# Altium PCB Controller_4Layers.PcbDoc (part 2 of 2)
Units mil, origin at the board's own origin, x right, y up, seen from the top; angles counter-clockwise.
Board outline 5080 x 5195 mil, 4 copper layers (Top Layer, Int1 (GND), Int2 (PWR), Bottom Layer), stack 53.912 mil thick; 184 components, 145 nets, 690 pads, 232 vias.
Unrouted connection lines stored in the file: 2.
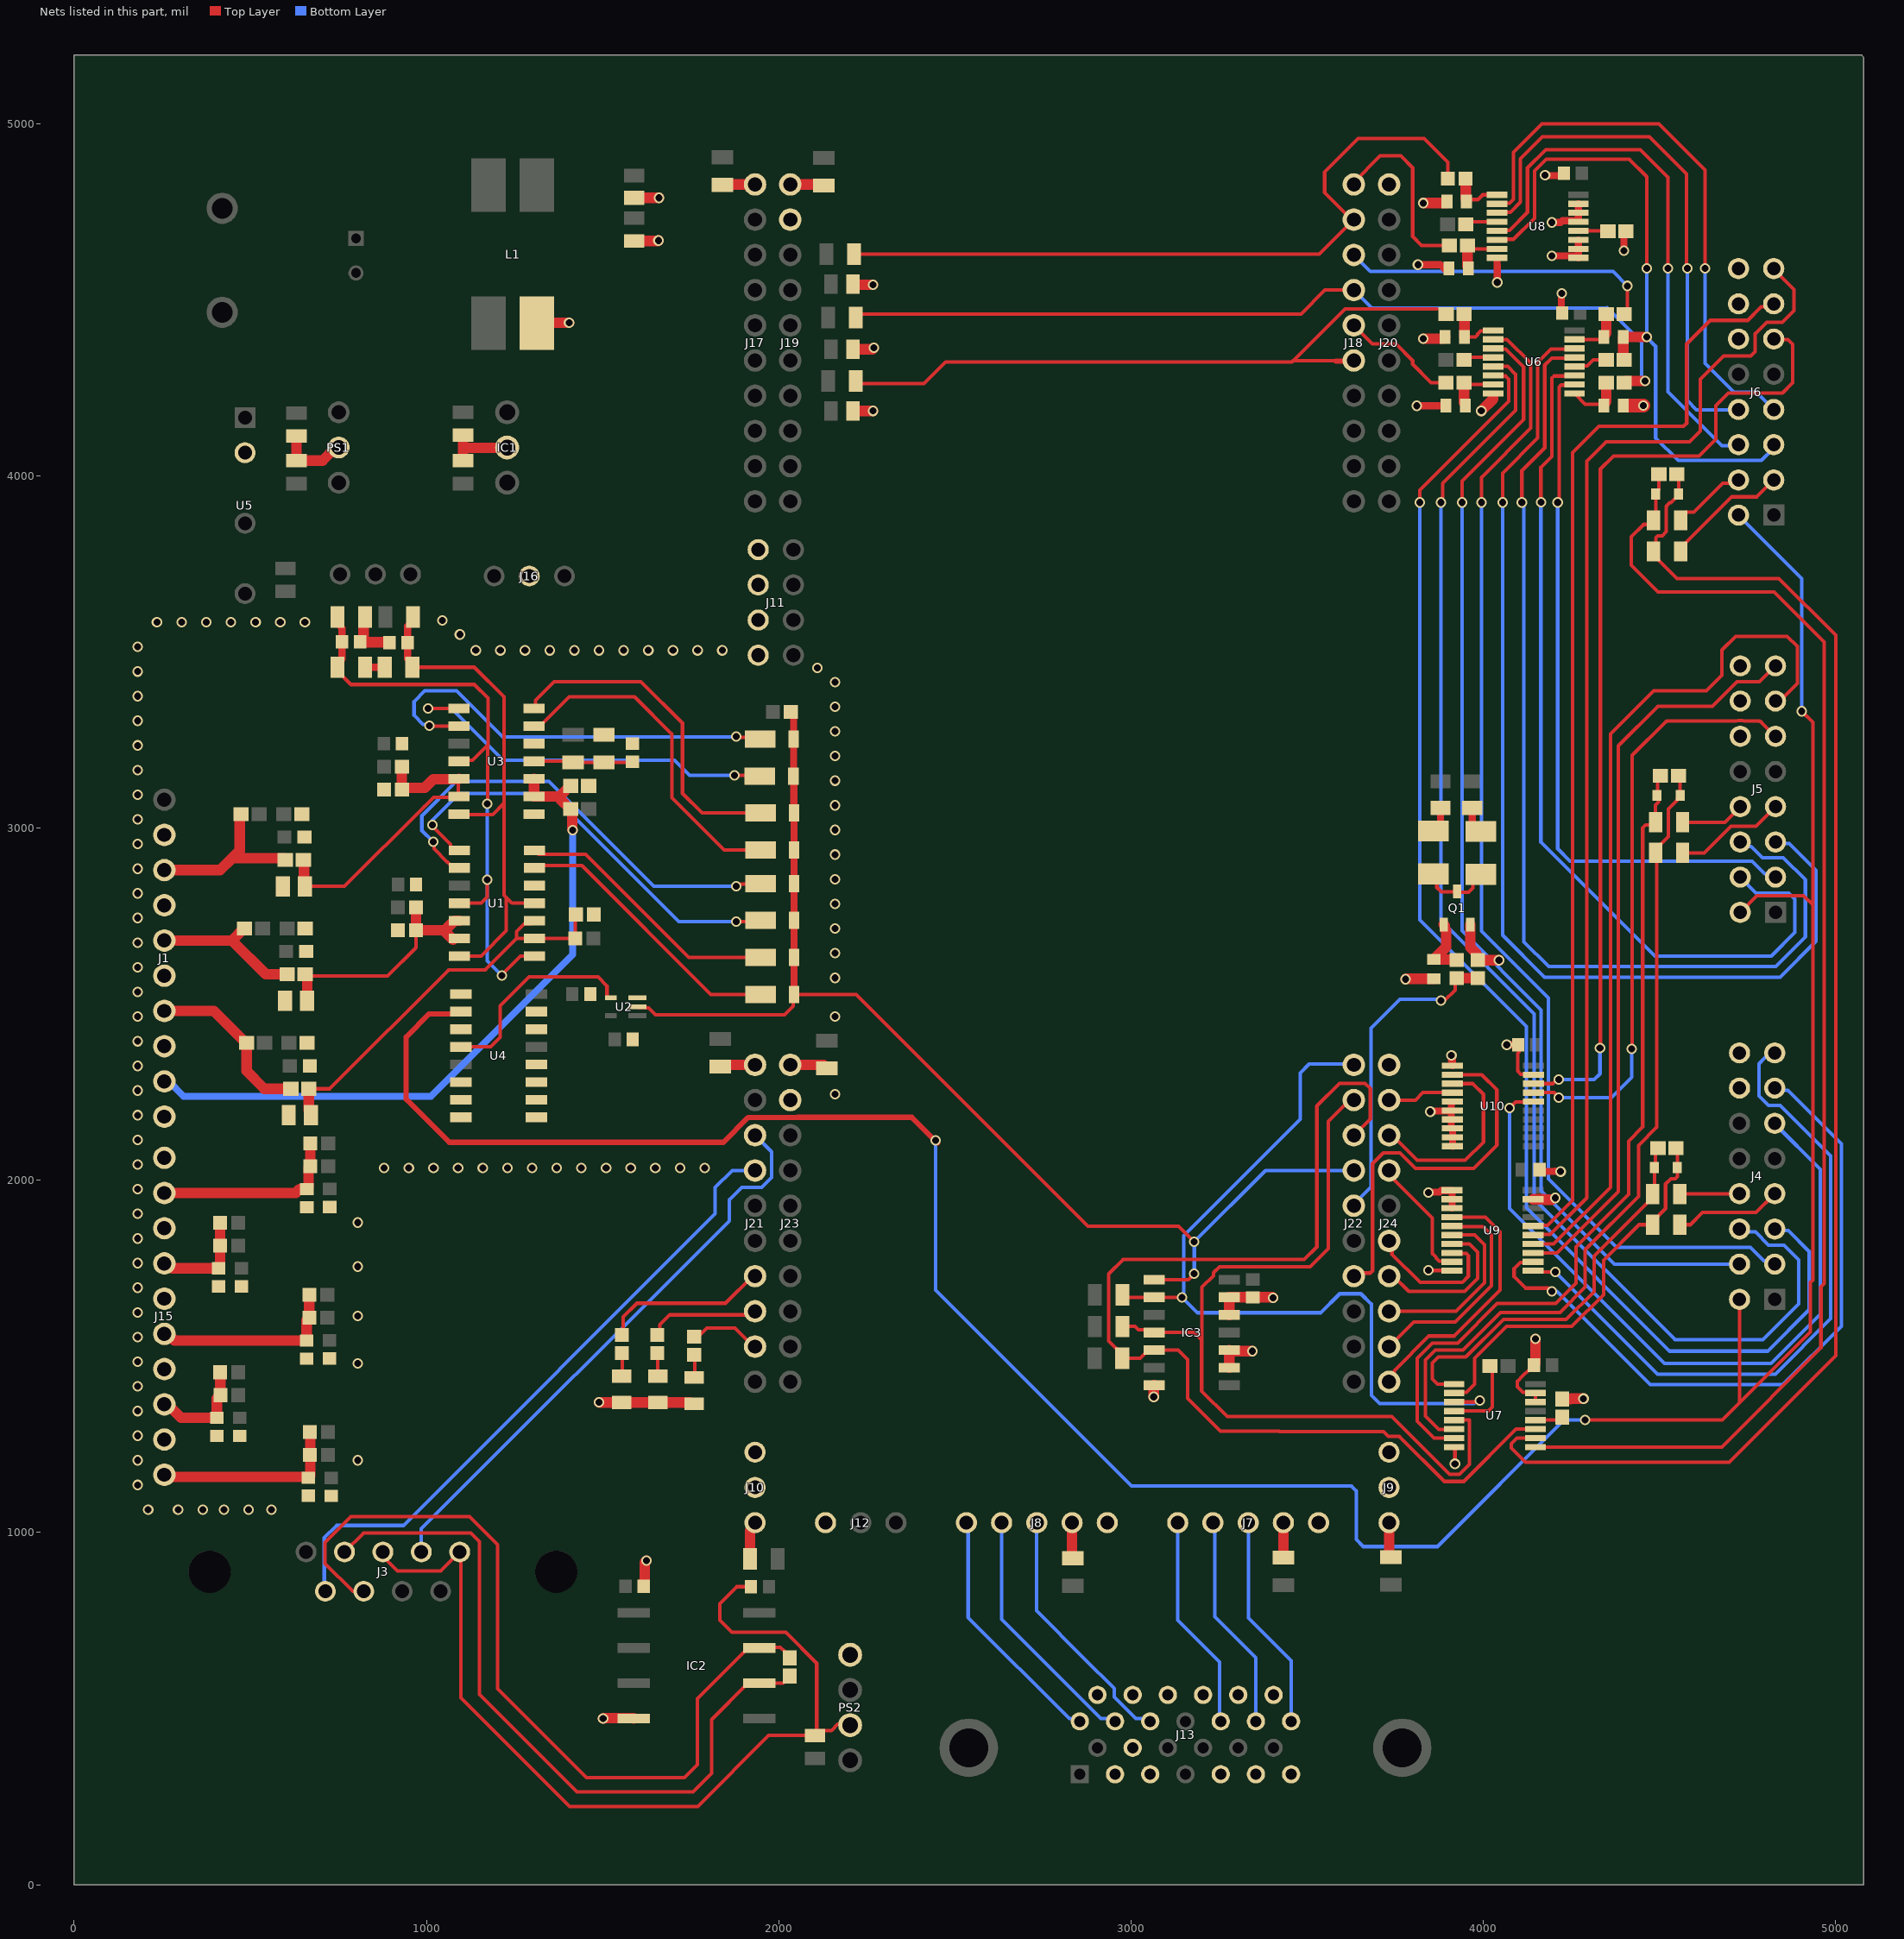
[diagram p4: the nets of this part, all layers, seen from the top]

## Via types
v1: diameter 30, hole 20, Top Layer to Int1 (GND), 133 vias
v2: diameter 29.53, hole 19.68, Top Layer to Bottom Layer, 54 vias
v3: diameter 30/30 (per signal layer), hole 20, Top Layer to Int2 (PWR), 40 vias
v4: diameter 125.98, hole 125.98, Top Layer to Bottom Layer, 4 vias
v5: diameter 50/50 (per signal layer), hole 28, Top Layer to Int2 (PWR), 1 vias

## Nets (pads, with @x,y where several pads share a name; then routed paths per layer and width w, separated by ;. In a path a pad name is that pad's centre, name@x,y a point inside that pad or via, vN(x,y) a via of type N, cw(c..) or ccw(c..) an arc to the next point about the centre after c; other vN are vias at no path point) (continued)
GND: C1.1 C2.1 C3.1 C4.1 C5.1 C6.1 C7.2 C8.1 C9.2 C10.1 C11.1 C12.1 C13.1 C16.1 C17.1 C18.1 C19.1 C20.1 C21.1 C23.1 C25.1 C26.1 C27.1 C28.1 C29.1 C31.1 C32.1 C33.1 C34.1 C35.1 C38.1 C39.1 C40.1 C41.1 C42.1 C43.1 C44.1 C45.1 C46.1 C47.1 C48.1 C49.1 C50.1 C51.1 C52.1 C53.1 DS1.1 DS2.1 DS3.1 IC1.2 IC2.4 IC3.7 IC3.9 IC3.10 IC3.12 IC3.13 J1.2 J1.4 J1.6 J1.8 J1.10 J4.14 J4.16 J5.12 J5.14 J5.16 J6.12 J6.14 J6.16 J7.5 J8.5 J9.1 J9.2 J10.1 J10.2 J11.1 J11.2 J11.3 J11.4 J12.3 J13.3 J13.4 J13.5 J13.9 J13.11 J13.13 J13.15 J13.17 J13.19 J13.21 J13.23 J13.25 J15.1 J15.3 J15.5 J15.7 J15.9 J16.2 J19.2 J20.1 J23.2 J24.1 L1.4 PS1.2 PS2.1 Q1.2 R7.1 R8.1 R9.1 R13.2 R14.2 R16.2 R19.2 R22.2 R32.2 R35.2 R39.2 R51.1 R63.1 U1.12 U2.3 U3.8 U3.12 U4.1 U4.3 U4.6 U4.7 U4.8 U4.9 U4.10 U4.11 U4.12 U4.14 U4.15 U5.2 U6.8 U7.8 U7.14 U7.15 U8.8 U8.9 U8.10 U8.11 U8.13 U8.14 U8.15 U9.1 U9.2 U9.3 U9.10 U9.19 U10.1 U10.5 U10.6 U10.7 U10.8 U10.9 U10.10 U10.19 | length 4071.2
  Top Layer w10: v1(3845,1745) 3845.88,1744.12 3911.12,1744.12 U9.10@3912,1743.24 ; U7.8@3917.33,1242.43 3915,1240.1 3920,1235.1 v1(3920,1195) ; 4102.41,2365 4098,2360.59 4098,2310.29 4106.79,2301.5 4141.46,2301.5 U10.19@4143,2299.97 ; C33.1@4144.41,1475 4144.41,1473.23 4131.89,1460.71 4128.71,1460.71 4113.42,1445.42 4097.21,1429.21 4097.21,1413.92 4113.42,1397.71 4146.94,1397.71 U7.15@4148.67,1395.98 U7.14@4148.67,1370.39
  Top Layer w20: v1(3811.91,4199.5) 3886.91,4199.5 3887.41,4200 C35.1@3894.88,4200 ; v1(3815,4600) 3878.44,4600 3895.44,4583 C39.1@3902.44,4590 ; v1(3845,1965) 3846.91,1966.91 3876.91,1966.91 3880.64,1970.64 3910.86,1970.64 U9.1@3912,1971.79 U9.2@3912,1946.39 U9.3@3912,1921 ; v1(3850,2195) 3852.71,2195 3854.96,2197.25 U10.6@3910,2197.25 ; v1(3910,2355) 3910,2340 3913,2343 U10.1@3913,2325.36 ; U10.10@3913,2096.82 U10.9@3913,2122.21 U10.8@3913,2147.61 3912.39,2147.61 3910,2150 U10.6@3910,2197.25 ; U10.6@3913,2198.39 3911.86,2197.25 U10.6@3910,2197.25 ; U10.5@3913,2220.32 3910,2217.32 U10.6@3910,2197.25 ; 4039.33,4600.67 U8.8@4039.33,4619.43 ; v1(4040,4550) 4040,4600 ; v1(4067,2385) C40.1@4099.41,2385 ; C41.1@4160.59,2030 4165.59,2025 v1(4220,2025) 4205.59,2025 4204.5,2026.09 ; v1(4175.9,4854.1) 4176.8,4853.2 4222.61,4853.2 C29.1@4229.41,4860 ; v1(4195,4625) 4265.1,4625 U8.9@4270.67,4619.43 U8.10@4270.67,4645.02 U8.11@4270.67,4670.61 ; v1(4195,4720) 4220,4720 4225.06,4725.06 4270.67,4725.06 U8.14@4270.67,4747.39 U8.15@4270.67,4772.98 ; v1(4223.46,4518.46) 4221.91,4516.91 4221.91,4465.5 C28.1@4224.41,4463 ; v1(4400,4640) 4400,4689.41 R39.2@4405.59,4695
  Top Layer w30: C19.1@631,4113.32 C19.1@633.32,4113.32 ; C19.1@635,4115 C19.1@633.32,4113.32 ; PS1.2@751,4081 742.34,4081 705.02,4043.68 C21.1@631,4043.68 631,4111 C19.1@633.32,4113.32 ; R22.2@826.25,3600 821.5,3595.25 821.5,3540.68 811.59,3530.77 C13.1@811.59,3529 812.59,3528 894.41,3528 C12.1@895.41,3527 ; C20.1@1104,4043.68 1104,4079.84 ; C18.1@1104,4116 1104,4079.84 ; IC1.2@1229,4081 1227.84,4079.84 1104,4079.84 ; L1.4@1313.9,4434.13 1314.13,4434.13 1320,4440 1325,4435 v1(1405,4435) ; v1(1490,1370) 1490.99,1369.01 DS2.1@1554,1369.01 DS1.1@1657,1369.01 1747.16,1369.01 1750.16,1366.01 DS3.1@1760,1366.01 ; v1(1501.61,471.61) 1503.22,473.22 1587.63,473.22 IC2.4@1588.85,472 ; C16.1@1590,4667.32 1657.32,4667.32 v1(1658.66,4668.66) ; C17.1@1590,4790 v1(1660,4790) ; C23.1@1616.59,847 1619.11,849.52 1619.11,865.12 1620,866.01 1620,915 v1(1625,920) ; C27.1@2211.1,4185 v1(2268.15,4185) ; C26.1@2211.1,4360 2266.35,4360 v1(2270.35,4364) ; C25.1@2211.1,4545 2213.1,4543 v1(2268.15,4543) ; v1(3065,1385) 3065,1417 IC3.7@3066,1418 ; IC3.9@3279.54,1468 IC3.10@3279.54,1518 3282.54,1515 v1(3345,1515) ; IC3.12@3279.54,1618 IC3.13@3279.54,1668 3402,1668 v1(3403.5,1666.5) ; v1(3780,2571) 3781.44,2572.44 C42.1@3860,2572.44 ; v1(3830,4390) 3887.44,4390 C34.1@3892.44,4395 ; v1(3830,4775) 3892.44,4775 3892.95,4775.51 3897.09,4775.51 3897.44,4775.87 C38.1@3897.44,4780 ; Q1.2@3963.6,2726.51 3963.6,2661.83 3980.31,2645.11 3980.31,2630.28 R51.1@3985,2625.59 3985.59,2625 v1(4045,2625) ; v1(3995,4185) 4028.33,4218.33 U6.8@4028.33,4226.17 ; U9.19@4142,1946.39 4173.61,1946.39 4175,1945 v1@4195,1945 ; C33.1@4144.41,1475 4143.41,1476 4148.41,1481 v1(4148.41,1550) ; R35.2@4225,1379 4249,1379 4250,1380 v1(4285,1380) ; R32.2@4400.59,4330 4397.91,4332.68 4397.91,4394.65 C31.1@4397.56,4395 v1(4465,4395)
  Top Layer w40: 4417.56,4200 v1(4455,4200)
  other v1: 210,1065 295,1065 365,1065 425,1065 495,1065 560,1065 180,1135 180,1205 805,1205 180,1275 180,1345 180,1415 805,1480 180,1485 180,1555 805,1615 180,1625 180,1695 805,1755 180,1765 180,1835 805,1880 180,1905 4205,1950 180,1975 880,2035 950,2035 1020,2035 1090,2035 1160,2035 1230,2035 1300,2035 1370,2035 1440,2035 1510,2035 1580,2035 1650,2035 1720,2035 1790,2035 180,2045 180,2115 180,2185 2160,2244.5 180,2255 180,2325 180,2395 180,2465 2160,2465 180,2535 2160,2575 180,2605 2160,2645 180,2675 2160,2715 180,2745 2160,2785 180,2815 2160,2855 180,2885 2160,2925 180,2955 2160,2995 180,3025 2160,3065 180,3095 2160,3135 180,3165 2160,3205 180,3235 2160,3275 180,3305 2160,3345 180,3375 2160,3415 180,3445 2110,3455 1140,3505 1210,3505 1280,3505 1350,3505 1420,3505 1490,3505 1560,3505 1630,3505 1700,3505 1770,3505 1840,3505 180,3515 1095,3550 235,3585 305,3585 375,3585 445,3585 515,3585 585,3585 655,3585 1045,3590
GND-ISO: C22.1 C24.2 J3.3 J3.5 PS2.3 | length 2697.5
  Top Layer w10: J3.3@876.53,944.81 876.53,934.26 890,920.78 890,919 918,891 1040.83,891 J3.5@1094.64,944.81 1098,941.45 1098,531 1407,222 1770,222 1971.68,423.68 C22.1@2103,423.68 C22.1@2108,428.68 ; C24.2@1921.41,846 1881,846 1833,798 1833,751 1867,717 2020.14,717 2108,629.14 C22.1@2108,428.68 ; PS2.3@2203,453 2200,456 2168,456 2149.77,437.77 2117.09,437.77 C22.1@2108,428.68
GPIO0/PWMOUT1A: J18.1 R40.1 | length 527.9
  Top Layer w10: J18.1@3633,4828 3633,4834 3708,4909 3766,4909 3800,4875 3800,4680 3825,4655 R40.1@3904.41,4655
GPIO1/PWMOUT1B: J18.2 R24.1 R38.1 | length 2094.5
  Top Layer w10: R24.1@2214.25,4630 3535,4630 J18.2@3633,4728 3627,4728 3550,4805 3550,4863 3645,4958 3832,4958 3899.41,4890.59 R38.1@3899.41,4845
GPIO2/PWMOUT2A: J18.3 R27.2 | length 916.5
  Top Layer w10: R27.2@4390.59,4445 4410,4464.41 v2(4410,4540)
  Bottom Layer w10: J18.3@3633,4628 3679.89,4581.11 4368.89,4581.11 v2(4410,4540)
GPIO3/PWMOUT2B: J18.4 R25.1 R29.2 | length 2480.2
  Top Layer w10: R25.1@2219.25,4460 3483,4460 3551,4528 J18.4@3633,4528
  Top Layer w30: R29.2@4400.59,4265 4405.28,4269.69 4459.69,4269.69 v2(4460,4270)
  Bottom Layer w10: J18.4@3633,4528 3683.76,4477.24 4351.24,4477.24 4352,4478 4450,4380 4450,4282.08
GPIO4/PWMOUT3A: J18.5 R33.1 | length 334.6
  Top Layer w10: J18.5@3633,4428 3686,4375 3752.31,4375 3800,4327.31 3800,4317.57 3852.57,4265 R33.1@3894.41,4265
GPIO5/PWMOUT3B: J18.6 R26.1 R31.1 | length 1950.9
  Top Layer w10: R26.1@2219.25,4270 2226.39,4262.86 2412.86,4262.86 2474.29,4324.29 3457.58,4324.29 3608.17,4474.89 3868.73,4474.89 ; 3460.28,4327 3580.86,4327 ; 3580.86,4324.29 3615.28,4324.29 3618.98,4328 3580.86,4328 ; J18.6@3622.69,4328 J18.6@3633,4328 ; R31.1@3893.03,4460 R31.1@3895,4460
GPIO6/PWMOUT4A: IC3.2 J22.1 R49.2 U7.3 | length 2354.4
  Top Layer w10: R49.2@2976.25,1675 2983.25,1668 IC3.2@3066,1668 v2(3145,1668) ; U7.3@3917.33,1370.39 3985.39,1370.39 v2(3990,1375)
  Bottom Layer w10: v2(3145,1668) 3150,1663 3189,1624 3539,1624 3593,1678 3653,1678 3682,1649 3683,1649 3683,1640.21 ; v2@3150,1668 3150,1843 3481,2174 3481,2305 3506,2330 3631,2330 J22.1@3633,2328 ; 3683,1640.17 3683,1389 3706,1366 3974,1366 3983,1375 v2(3990,1375)
GPIO7/PWMOUT4B: IC3.4 J22.2 R48.2 U7.5 | length 2588.3
  Top Layer w10: R48.2@2976.25,1585 3011.88,1585 3020.98,1575.9 3058.1,1575.9 IC3.4@3066,1568 3179,1568 3200,1547 3200,1402.86 3202,1400.86 ; J22.2@3633,2228 3621,2228 3560,2167 3560,1806 3509,1755 3251.53,1755 3234.52,1737.99 3234.52,1729.1 3202,1696.57 3202,1547 3202,1400.86 ; U7.5@3917.33,1319.2 3961.37,1319.2 3961.37,1193.94 3932.43,1165 3905,1165 3741,1329 3273.86,1329 3202,1400.86
GPIO8/PWMOUT5A: IC3.5 J22.3 R47.2 U7.11 | length 3076.9
  Top Layer w10: J22.3@3633,2128 3680,2175 3680,2260 3665,2275 3592,2275 3528,2211 3528,1811 3492,1775 2978,1775 2937.36,1734.36 2937.36,1543.89 2975.5,1505.75 R47.2@2975.5,1495 3026.76,1495 3049.76,1518 IC3.5@3066,1518 3134,1518 3161,1491 3161,1381 3254,1288 3421,1288 3422,1287 3717,1287 3731,1273 3762,1273 3890,1145 3945,1145 4093.61,1293.61 U7.11@4148.67,1293.61
GPIO9/PWMOUT5B: D1.2 D2.2 D3.2 D4.2 D5.2 D6.2 D7.2 D8.2 IC3.1 J22.4 R10.2 U2.2 | length 3486.1
  Top Layer w10: U2.2@1599,2493 1601,2491 1623.77,2491 1625.36,2489.41 1630.71,2489.41 1650.12,2470 2017.13,2470 2041.49,2494.36 2041.49,2525.49 D1.2@2044,2528 2220,2528 2878,1870 3135.76,1870 v2(3180,1825.76) ; R10.2@2034.59,3330 2034.59,3327.59 2034,3327 R10.2@2042.5,3318.5 ; D8.2@2042.25,3252.75 D8.2@2042.5,3253 ; IC3.1@3066,1718 3163,1718 v2(3180,1735) ; J22.4@3628,2023 J22.4@3633,2028
  Top Layer w20: D8.2@2042.25,3252.75 2042.25,3148.25 D7.2@2042,3148 2043,3147 2043,3044 D6.2@2044,3043 D5.2@2044,2938 D4.2@2044,2843 D3.2@2044,2738 D2.2@2044,2633 D1.2@2044,2528 ; D8.2@2042.5,3253 R10.2@2042.5,3318.5
  Bottom Layer w10: v2(3180,1735) v2(3180,1825.76) 3382.24,2028 J22.4@3633,2028
GPIO10/PWMOUT6A: J22.5 R50.1 R51.2 | length 907.2
  Top Layer w10: v2(3880,2510) 3890,2510 3920.31,2540.31 3920.31,2569.72 R50.1@3925,2574.41
  Top Layer w30: R50.1@3925,2574.41 R51.2@3985,2574.41
  Bottom Layer w10: J22.5@3633,1928 3633,1932 3682,1981 3682,2432 3764,2514 v2@3882,2514
GPIO14/OPXBAR3: J22.7 U10.2 | length 1075.7
  Top Layer w10: J22.7@3633,1728 3641.78,1736.78 3679.89,1736.78 3686.11,1743 3686.11,2047.42 3716.69,2078 3764,2078 3808,2034 3973,2034 4039,2100 4039,2257 3996.03,2299.97 U10.2@3913,2299.97
GPIO25/OPXBAR2: J24.10 U9.4 | length 751.9
  Top Layer w10: J24.10@3733,1428 3733,1442.55 3747.66,1457.21 3747.66,1459.66 3846,1558 3918,1558 4048,1688 4048,1854 4006.39,1895.61 U9.4@3912,1895.61
GPIO26/SD2D2: J24.8 U9.6 | length 515.9
  Top Layer w10: J24.8@3733,1628 3922.72,1628 4004,1709.28 4004,1817 3976.18,1844.82 U9.6@3912,1844.82
GPIO27/SD2CLK2: J24.9 U9.5 | length 629.1
  Top Layer w10: J24.9@3733,1528 3803,1598 3921,1598 4024,1701 4024,1845 4000,1869 3913.21,1869 U9.5@3912,1870.21
GPIO41/I2CSCLB/J5: J21.9 R44.2 | length 207.2
  Top Layer w10: R44.2@1762,1546.59 1796.41,1581 1876,1581 1929,1528 J21.9@1933,1528
GPIO52/J5: J21.8 R42.2 | length 321.8
  Top Layer w10: R42.2@1659,1555.59 1663,1559.59 1663,1590 1691,1618 1923,1618 J21.8@1933,1628
GPIO63/SPIBMOSI: J24.6 U9.8 | length 407.2
  Top Layer w10: J24.6@3733,1828 3741.16,1819.84 3741.16,1789.84 3821,1710 3941,1710 3958,1727 3958,1786.64 3952.14,1792.49 3913.54,1792.49 U9.8@3912,1794.03
GPIO64/SPIBMISO: J24.7 U9.7 | length 440.4
  Top Layer w10: J24.7@3733,1728 3746,1728 3789,1685 3948,1685 3984,1721 3984,1796 3960.58,1819.42 U9.7@3912,1819.42
GPIO65/SPIBCLK: J21.7 R43.2 | length 486.7
  Top Layer w10: R43.2@1556,1548.59 1559,1551.59 1559,1612 1598,1651 1849,1651 1926,1728 J21.7@1933,1728
GPIO66/SPIBCS: J24.2 U10.4 | length 188.8
  Top Layer w10: J24.2@3733,2228 3807.95,2228 3829.13,2249.18 U10.4@3913,2249.18
GPIO130/SD2D1: J24.4 U9.9 | length 353.8
  Top Layer w10: J24.4@3733,2028 3733,2015.69 3856,1892.69 3856,1792 3867,1781 3867,1778.96 3875.79,1770.17 3910.46,1770.17 U9.9@3912,1768.64
GPIO131/SD2CLK1: J24.3 U10.3 | length 554.6
  Top Layer w10: J24.3@3733,2128 3742.28,2128 3813.28,2057 3949,2057 4001,2109 4001,2244 3970.43,2274.57 U10.3@3913,2274.57
HighLimit: C12.2 R17.2 R20.1 U1.7 U1.11 U3.7 | length 1508.2
  Top Layer w10: R20.1@960,3457 1136,3457 1220,3373 1220,3071 ; U3.7@1092.23,3040 1093.23,3039 1188,3039 1220,3071 ; U1.7@1093.23,2637 1155,2637 1227,2709 1227,2803 ; U1.11@1306.77,2787 1243,2787 1227,2803 ; 1220,3071 1220,2810 1227,2803
  Top Layer w20: R20.1@960,3457 960,3467.75 946.59,3481.16 C12.2@946.59,3527 946.59,3573.59 962.25,3589.25 R17.2@962.25,3600
LowLimit: C13.2 R21.2 R22.1 U1.4 U1.8 U3.4 | length 1782.1
  Top Layer w10: R21.2@747.75,3457 747.75,3446.25 786,3408 1136,3408 1175,3369 1175,3237 1174,3236 ; U3.4@1092.23,3190 1095.62,3193.39 1131.39,3193.39 1174,3236 ; U1.4@1093.23,2787 1155,2787 1173,2805 v2(1173,2854) ; v2(1173,3069) 1174,3070 1174,3236 ; v2(1214,2582) 1214,2584 1267,2637 U1.8@1306.77,2637
  Top Layer w20: R21.2@747.75,3457 747.75,3467.75 760.41,3480.41 C13.2@760.41,3529 760.41,3567.78 757.5,3570.69 757.5,3590.25 R22.1@747.75,3600
  Bottom Layer w10: v2(1173,3069) v2(1173,2854) 1173,2623 v2(1214,2582)
NetC30_1: C30.1 L3.1 R28.1 U7.1 | length 1137.9
  Top Layer w10: U7.1@3917.33,1421.57 3870.43,1421.57 3856,1436 3856,1481 3873,1498 3950.72,1498 4057.72,1605 4236,1605 4315,1684 4315,1785.27 4467.19,1937.46 4481,1951.27 L3.1@4481,1961 4486.41,1966.41 C30.1@4486.41,2036 4486.41,2039.41 4487,2040 4487.57,2040 4489.39,2041.83 4489.39,2083.98 R28.1@4496.41,2091
NetC30_2: C30.2 L2.1 R28.2 U7.2 | length 1108
  Top Layer w10: U7.2@3917.33,1395.98 3919.06,1397.71 3952.58,1397.71 3976,1421.13 3976,1495 4066,1585 4251.58,1585 4342,1675.42 4342,1773 4443,1874 L2.1@4481.5,1874 ; L2.1@4481.5,1883.73 4518,1920.23 4518,1989.58 4532.97,2004.54 4545.73,2004.54 4551.59,2010.4 C30.2@4551.59,2036 4551.59,2087 R28.2@4547.59,2091
NetC31_2: C31.2 R27.1 U6.15 | length 153.6
  Top Layer w10: U6.15@4259.67,4387.98 4335.42,4387.98 C31.2@4342.44,4395
  Top Layer w30: C31.2@4342.44,4395 4342.44,4399.13 4349.41,4406.1 R27.1@4349.41,4460
NetC32_2: C32.2 R29.1 U6.9 | length 163.2
  Top Layer w10: U6.9@4259.67,4234.43 4289.97,4204.13 4342.44,4204.13 C32.2@4342.44,4200
  Top Layer w30: C32.2@4342.44,4204.13 4349.41,4211.1 R29.1@4349.41,4265
NetC34_2: C34.2 R31.2 U6.1 | length 155
  Top Layer w10: C34.2@3947.56,4395 3977.91,4395 3984.29,4401.38 3984.29,4403.05 3993.08,4411.83 4026.6,4411.83 U6.1@4028.33,4413.57
  Top Layer w30: R31.2@3946.18,4460 3947.2,4458.98 3947.2,4395.35 C34.2@3947.56,4395
NetC35_2: C35.2 R33.2 U6.7 | length 151.6
  Top Layer w10: R33.2@3945.59,4265 3950.57,4260.02 U6.7@4028.33,4260.02
  Top Layer w30: R33.2@3945.59,4265 3945.59,4208.54 3950,4204.13 C35.2@3950,4200
NetC36_1: C36.1 L5.1 R36.1 U7.7 | length 2397.4
  Top Layer w10: U7.7@3917.33,1268.02 3860.98,1268.02 3813,1316 3813,1495 3856,1538 3928,1538 4040,1650 4206,1650 4264,1708 4264,1811 4413,1960 4413,2111.28 4453,2151.28 4453,3000.14 4461.55,3008.69 4481.2,3008.69 L5.1@4489.5,3017 4489.5,3065.5 4498,3074 4498,3089 C36.1@4494,3093 4495,3094 4495,3140.59 R36.1@4503.41,3149
NetC36_2: C36.2 L4.1 R36.2 U7.6 | length 2372.7
  Top Layer w10: U7.6@3917.33,1293.61 3916.24,1292.52 3874.48,1292.52 3836,1331 3836,1489.72 3864.28,1518 3942.43,1518 4049.43,1625 4218.18,1625 4290,1696.82 4290,1803 4441,1954 4441,2099 4493,2151 4493,2926.5 L4.1@4489.5,2930 ; L4.1@4477,2927.23 4526,2976.23 4526,3054.49 4551.27,3079.76 4551.27,3085.09 C36.2@4559.18,3093 4559.18,3144.41 R36.2@4554.59,3149
NetC37_1: C37.1 L7.1 R41.1 U7.9 | length 3873.4
  Top Layer w10: U7.9@4148.67,1242.43 4677.43,1242.43 4959,1524 4959,1697.54 4968.5,1707.04 4968.5,3528.5 4826,3671 4497,3671 4421,3747 4421,3828 4455.55,3862.55 4472.05,3862.55 L7.1@4483.5,3874 4490,3880.5 C37.1@4490,3949 4490,3951.84 4499,3960.84 R41.1@4499,4005
NetC37_2: C37.2 L6.1 R41.2 U7.10 | length 4077.5
  Top Layer w10: U7.10@4148.67,1268.02 4096.31,1268.02 4080,1251.72 4080,1240 4120,1200 4699,1200 5001,1502 5001,3548 4840,3709 4550.77,3709 4483.5,3776.27 L6.1@4483.5,3786 4490,3792.5 4490,3824.6 4495.86,3830.46 4508.53,3830.46 4520,3841.93 4520,3914 4530.11,3924.11 4533.13,3924.11 4555.18,3946.16 C37.2@4555.18,3949 4555.18,4000 R41.2@4550.18,4005
NetC38_2: C38.2 R38.2 U8.1 | length 160.3
  Top Layer w10: C38.2@3952.56,4780 3957.56,4785 3985,4785 3998.57,4798.57 U8.1@4039.33,4798.57
  Top Layer w30: R38.2@3950.59,4845 3950.59,4786.1 3952.56,4784.13 C38.2@3952.56,4780
NetC39_2: C39.2 R40.2 U8.7 | length 153.7
  Top Layer w10: R40.2@3955.59,4655 3965.57,4645.02 U8.7@4039.33,4645.02
  Top Layer w30: R40.2@3955.59,4655 3955.59,4596.1 3957.56,4594.13 C39.2@3957.56,4590
NetC42_2: C42.2 Q1.1 R50.2 | length 184.4
  Top Layer w30: Q1.1@3888.4,2726.51 3891.59,2723.32 3891.59,2713.04 3895,2709.63 3895,2662.56 3864.49,2632.05 3864.49,2627.91 3864.13,2627.56 C42.2@3860,2627.56 3860.35,2627.21 3923.38,2627.21 R50.2@3925,2625.59
NetC43_2: C43.2 J15.10 R52.1 R54.1 | length 545.2
  Top Layer w30: J15.10@256,1164 261.89,1158.11 662.48,1158.11 C43.2@665,1155.59 666.77,1155.59 669.29,1158.11 669.29,1159.88 670,1160.59 670,1284.41 R52.1@669.41,1285
NetC44_2: C44.2 J15.4 R53.1 R55.1 | length 292.7
  Top Layer w30: J15.4@256,1764 265.14,1764 279.14,1750 C44.2@410,1750 411.77,1750 414.41,1752.64 R55.1@414.41,1815 R53.1@414.41,1880
NetC47_2: C47.2 J15.8 R56.1 R58.1 | length 298.7
  Top Layer w30: J15.8@256,1364 265.14,1364 303.55,1325.59 C47.2@405,1325.59 405,1380 R58.1@415,1390 414.7,1390.3 414.7,1454.7 R56.1@414.41,1455
NetC48_2: C48.2 J15.2 R57.1 R59.1 | length 543
  Top Layer w30: J15.2@256,1964 629,1964 640,1975 C48.2@660.59,1975 660.59,1975.59 665.31,1980.31 665.31,2035.31 R59.1@670,2040 R57.1@670,2105
NetC51_2: C51.2 J15.6 R60.1 R61.1 | length 544.9
  Top Layer w30: J15.6@256,1564 265.14,1564 284.14,1545 C51.2@660,1545 660,1602.59 R61.1@667.41,1610 R60.1@667.41,1675
NetD1_1: D1.1 U1.13 | length 796.2
  Top Layer w10: U1.13@1306.77,2887 1313.77,2894 1441.54,2894 1807.54,2528 D1.1@1948.5,2528
NetD2_1: D2.1 U1.14 | length 767.6
  Top Layer w10: U1.14@1306.77,2937 1317.77,2926 1451.96,2926 1744.96,2633 D2.1@1948.5,2633
NetD3_1: D3.1 U1.1 | length 1242.1
  Top Layer w10: v2(1017,3009) 1017,3005.09 1068.21,2953.88 1068.21,2945.78 1076.99,2937 U1.1@1093.23,2937 ; v2(1880,2735) 1945.5,2735 D3.1@1948.5,2738
  Bottom Layer w10: v2(1017,3009) 1017,3023 1093,3099 1353.09,3099 1717.09,2735 v2(1880,2735)
NetD4_1: D4.1 U1.2 | length 1332.1
  Top Layer w10: v2(1019,2961) 1021.55,2958.45 1021.55,2941.45 1059,2904 1059.99,2904 1076.99,2887 U1.2@1093.23,2887 ; v2(1880,2835) 1886,2841 1948,2841 1948.5,2841.5 D4.1@1948.5,2843
  Bottom Layer w10: v2(1019,2961) 987,2993 987,3035.43 1084.57,3133 1347.38,3133 1645.38,2835 v2(1880,2835)
NetD5_1: D5.1 U3.13 | length 963
  Top Layer w10: U3.13@1305.77,3290 1322.01,3290 1330.79,3298.78 1405,3373 1591,3373 1697,3267 1697,3086.57 1845.57,2938 D5.1@1948.5,2938
NetD6_1: D6.1 U3.14 | length 956.3
  Top Layer w10: U3.14@1305.77,3340 1309.92,3344.15 1309.92,3362.92 1363,3416 1609,3416 1727,3298 1727,3099 1783,3043 D6.1@1948.5,3043
NetD7_1: D7.1 U3.1 | length 1113.8
  Top Layer w10: v2(1005,3340) U3.1@1092.23,3340 ; v2(1875,3150) 1934,3150 1941,3143 D7.1@1946.5,3148.5 ; D7.1@1946.5,3148 D7.1@1946.5,3148.5 ; D7.1@1947,3149 D7.1@1946.5,3148.5
  Bottom Layer w10: v2(1005,3340) 1071,3340 1218,3193 1704.14,3193 1747.14,3150 v2(1875,3150)
NetD8_1: D8.1 U3.2 | length 1232
  Top Layer w10: v2(1008.75,3291.25) 1010,3290 U3.2@1092.23,3290 ; v2(1880,3260) 1882,3258 1942,3258 D8.1@1947,3253
  Bottom Layer w10: v2(1008.75,3291.25) 1005.2,3294.8 990.2,3294.8 965,3320 965,3360 995.36,3390.36 1085.64,3390.36 1217,3259 1879,3259 v2(1880,3260)
NetD9_1: D9.1 D10.1 Q1.3 | length 206.8
  Top Layer w10: D9.1@3859,2870 3868.67,2860.33 3868.67,2831.33 3881,2819 Q1.3@3928,2819 ; Q1.3@3926,2821 Q1.3@3928,2819 ; D10.1@3994,2868.98 3971,2845.98 3971,2830 3959,2818 3929,2818 Q1.3@3928,2819
NetD9_2: D9.2 R45.1 | length 75.1
  Top Layer w20: D9.2@3854,2996.02 3859.47,2996.02 3879,3015.55 R45.1@3879,3057.6
NetD10_2: D10.2 R46.1 | length 80.1
  Top Layer w20: R46.1@3969,3057.6 3969,3014.53 3988.53,2995 3994,2995 D10.2@3994,2991.02
NetDS1_2: DS1.2 R42.1 | length 61.4
  Top Layer w10: DS1.2@1657,1443.81 1657,1502.41 R42.1@1659,1504.41
NetDS2_2: DS2.2 R43.1 | length 54.4
  Top Layer w10: DS2.2@1554,1443.81 1556,1445.81 R43.1@1556,1497.41
NetDS3_2: DS3.2 R44.1 | length 59.5
  Top Layer w10: DS3.2@1750.16,1440.81 1762,1452.65 R44.1@1762,1495.41
NetIC2_6: IC2.6 J3.2 R23.1 | length 2071
  Top Layer w10: J3.2@767.47,944.81 821.66,999 1125.8,999 1151,973.8 1151,540 1427,264 1757,264 1809.38,316.38 1809.38,468.71 1912.67,572 IC2.6@1945.15,572 2012.56,572 2031,590.44 R23.1@2031,592.41
NetIC2_7: IC2.7 J3.7 R23.2 | length 2376.7
  Top Layer w10: J3.7@822,833 791,833 712,912 712,972 785,1045 1122,1045 1202,965 1202,556 1454,304 1732,304 1769,341 1769,528.33 1912.67,672 IC2.7@1945.15,672 1947.37,674.22 2004.56,674.22 2016.31,662.46 2016.31,658.28 R23.2@2031,643.59
NetJ4_2: J4.2 J5.2 J6.2 U4.2 | length 8463.7
  Top Layer w10: v2(4290,1320) 4679.01,1320 4728,1368.99 ; J4.2@4728,1662 4728,1368.99 ; J5.2@4730,2761 4777.5,2808.5 4909.5,2808.5 4936,2782 ; v2(4905,3332) 4936,3301 4936,2782 ; 4728,1368.99 4929,1569.99 4929,1709.97 4936,1716.97 4936,2782
  Top Layer w15: U4.2@1097.72,2479 1091.44,2472.72 1007.72,2472.72 942.5,2407.5 942.5,2230.5 1065,2108 1843.15,2108 1913.76,2178.61 2053.46,2178.61 2053.85,2179 2378,2179 v2@2451,2106
  Bottom Layer w10: v2(2446,2114) 2446,1688 3002,1132 3626,1132 3640,1118 3640,980 3660,960 3870,960 4230,1320 v2(4290,1320) ; J6.2@4725,3889 4905,3709 v2(4905,3332)
NetJ4_3: J4.3 U6.2 | length 3331.3
  Top Layer w10: v2(3995,3925) 3995,3996 4134.95,4135.95 4134.95,4321.05 4068,4388 U6.2@4028.35,4388
  Bottom Layer w10: v2(3995,3925) 3995,2708 4185,2518 4185,2004 4379,1810 4758.37,1810 4796.8,1771.57 4818.43,1771.57 J4.3@4828,1762
NetJ4_4: J4.4 U6.3 | length 3287.4
  Top Layer w10: v2(3940,3925) 3940,3986 4114.95,4160.95 4114.95,4309.05 4072.37,4351.63 4072.37,4351.87 4063.58,4360.65 4030.06,4360.65 U6.3@4028.33,4362.39
  Bottom Layer w10: v2(3940,3925) 3940,2709 4165,2484 4165,1970 4373,1762 J4.4@4752.7,1762
NetJ4_5: J4.5 U6.6 | length 3941.6
  Top Layer w10: v2(3820,3925) 3820,3960 4072.37,4212.37 4072.37,4275.1 4063.58,4283.88 4030.06,4283.88 U6.6@4028.33,4285.61
  Bottom Layer w10: v2(3820,3925) 3820,2740 4123,2437 4123,1922 4530,1515 4808.15,1515 4926,1632.85 4926,1798 4866.82,1857.18 4832.82,1857.18 J4.5@4828,1862
NetJ4_6: J4.6 U6.5 | length 3901.3
  Top Layer w10: v2(3880,3925) 3883.74,3928.74 3883.74,3939.36 3885,3940.62 3885,3979 4092.37,4186.37 4092.37,4288.63 4091.58,4289.42 4069.8,4311.2 U6.5@4028.33,4311.2
  Bottom Layer w10: v2(3880,3925) 3880,2738 4145,2473 4145,1947 4545,1547 4794.21,1547 4896,1648.79 4896,1774 4854,1816 4810.36,1816 4773,1853.36 4736.64,1853.36 J4.6@4728,1862
NetJ4_7: J4.7 L2.2 | length 306
  Top Layer w10: L2.2@4558.5,1874 4588,1874 4623,1909 4775,1909 J4.7@4828,1962
NetJ4_8: J4.8 L3.2 | length 170.4
  Top Layer w10: L3.2@4557.99,1961 4558.99,1962 J4.8@4728,1962
NetJ4_11: J4.11 U10.16 | length 2078.6
  Top Layer w10: v2(4075,2205) 4092.25,2222.25 4139.25,2222.25 4141,2224 4141.21,2223.79 U10.16@4143,2223.79
  Bottom Layer w10: v2(4075,2205) 4075,1920 4515,1480 4817,1480 4957,1620 4957,2031.72 4828,2160.72 J4.11@4828,2162
NetJ4_13: J4.13 U9.12 | length 1982.3
  Top Layer w10: U9.12@4142,1768.64 4140.47,1767.1 4105.79,1767.1 4088,1749.32 4088,1726 4120,1694 4186,1694 v2(4195,1685)
  Bottom Layer w10: v2(4195,1685) 4210,1685 4475,1420 4851,1420 5017,1586 5017,2104 4865.32,2255.68 4834.32,2255.68 J4.13@4828,2262
NetJ4_15: J4.15 U9.11 | length 1916.9
  Top Layer w10: U9.11@4142,1743.24 4145.24,1740 v2(4205,1740)
  Bottom Layer w10: v2(4205,1740) 4495,1450 4829.43,1450 4987,1607.57 4987,2069 4843,2213 4809.86,2213 4783,2239.86 4783,2331 4799.18,2347.18 4799.65,2347.18 4814.47,2362 J4.15@4828,2362
NetJ5_3: J5.3 U6.10 | length 2011.5
  Top Layer w10: v2(4211.71,3925) 4215.54,3928.83 4215.54,3954.9 4215.63,3955 4215.63,4252.43 4221.49,4258.29 4257.94,4258.29 U6.10@4259.67,4260.02
  Bottom Layer w10: v2(4211.71,3925) 4211.71,2941.29 4247,2906 4764,2906 4799.43,2870.57 4820.43,2870.57 J5.3@4830,2861
NetJ5_4: J5.4 U6.11 | length 2556.6
  Top Layer w10: v2(4164,3925.46) 4164,4025 4194.95,4055.95 4194.95,4278.02 4200.8,4283.88 4257.94,4283.88 U6.11@4259.67,4285.61
  Bottom Layer w10: v2(4164,3925.46) 4164,2960.72 4487.72,2637 4818.15,2637 4885,2703.85 4885,2799 4868,2816 4775,2816 J5.4@4730,2861
NetJ5_5: J5.5 U6.14 | length 3120.4
  Top Layer w10: v2(4055,3925) 4055,4008 4154.95,4107.95 4154.95,4322.95 4192.65,4360.65 4257.94,4360.65 U6.14@4259.67,4362.39
  Bottom Layer w10: v2(4055,3925) 4055,2696.15 4174.15,2577 4843,2577 4945,2679 4945,2880 4868.82,2956.18 4834.82,2956.18 J5.5@4830,2961
NetJ5_6: J5.6 U6.13 | length 3014.9
  Top Layer w10: v2(4110,3925) 4110,4015 4174.95,4079.95 4174.95,4314.66 4195.35,4335.06 4257.94,4335.06 U6.13@4259.67,4336.8
  Bottom Layer w10: v2(4110,3925) 4116,3919 4116,2677.57 4186.57,2607 4830.57,2607 4915,2691.43 4915,2853 4852,2916 4793,2916 4760.82,2948.18 4756.35,2948.18 4743.53,2961 J5.6@4730,2961
NetJ5_7: J5.7 L4.2 | length 317.8
  Top Layer w10: L4.2@4566.5,2930 4627.28,2930 4703.28,3006 4775,3006 J5.7@4830,3061
NetJ5_8: J5.8 L5.2 | length 181.7
  Top Layer w10: L5.2@4566.5,3017 4686,3017 J5.8@4730,3061
NetJ5_11: J5.11 U10.17 | length 1687.4
  Top Layer w10: U10.17@4143,2249.18 4200.82,2249.18 v2(4215,2235) ; v2@4423,2373 4423,3207 4517.07,3301.07 cw(c4524.14,3294) 4524.14,3304 4715.3,3304 ccw(c4715.3,3314) 4717.98,3304.36 cw(c4730,3261) 4742.02,3304.36 ccw(c4744.7,3314) 4744.7,3304 4782.81,3304 cw(c4782.86,3294) 4789.93,3301.07 J5.11@4830,3261
  Bottom Layer w10: v2(4215,2235) 4364,2235 4422,2293 v2(4422,2373)
NetJ5_13: J5.13 U9.14 | length 2460.6
  Top Layer w10: U9.14@4142,1819.42 4200.42,1819.42 4361.53,1980.53 4361.53,3267.53 4484,3390 4634,3390 4678,3434 4678,3506 4717,3545 4863,3545 4892,3516 4892,3411 4842,3361 J5.13@4830,3361
NetJ5_15: J5.15 U9.13 | length 2119.9
  Top Layer w10: U9.13@4142,1794.03 4209.75,1794.03 4384,1968.28 4384,3234 4496,3346 4651.36,3346 4720.9,3415.54 4784.54,3415.54 J5.15@4830,3461
NetJ6_3: J6.3 L6.2 | length 354.3
  Top Layer w10: L6.2@4560.5,3786 4560.5,3795.73 4705.76,3941 4777,3941 J6.3@4825,3989
NetJ6_4: J6.4 L7.2 | length 217.8
  Top Layer w10: L7.2@4560.5,3874 4560.5,3883.73 4574.31,3897.54 4598.54,3897.54 4680.43,3979.43 4715.43,3979.43 J6.4@4725,3989
NetJ6_5: J6.5 U8.6 | length 1758.6
  Top Layer w10: U8.6@4039.33,4670.61 4041.06,4672.35 4086.03,4672.35 4145.9,4732.22 4145.9,4866.53 4179.37,4900 4415,4900 4465,4850 v2(4465,4590)
  Bottom Layer w10: v2(4465,4590) 4465,4393.28 4489.76,4368.52 4489.76,4107.95 4553.72,4044 4790,4044 4825,4079 J6.5@4825,4089
NetJ6_6: J6.6 U8.5 | length 1560.7
  Top Layer w10: U8.5@4039.33,4696.2 4041.06,4697.94 4074.58,4697.94 4125.9,4749.26 4125.9,4874.81 4178.09,4927 4446,4927 4525,4848 v2(4525,4590)
  Bottom Layer w10: v2(4525,4590) 4525,4239.5 4678.36,4086.14 4722.14,4086.14 J6.6@4725,4089
NetJ6_7: J6.7 U8.2 | length 1614.9
  Top Layer w10: U8.2@4039.33,4772.98 4041.06,4774.71 4074.58,4774.71 4085.9,4786.03 4085.9,4918.9 4167,5000 4499,5000 4630,4869 v2(4630,4590)
  Bottom Layer w10: v2(4630,4590) 4630,4320.36 4712.36,4238 4776,4238 J6.7@4825,4189
NetJ6_8: J6.8 U8.3 | length 1544
  Top Layer w10: U8.3@4039.33,4747.39 4041.06,4749.12 4077.27,4749.12 4105.9,4777.74 4105.9,4900.9 4168,4963 4472,4963 4577,4858 4577,4592.27 v2(4579.51,4589.76)
  Bottom Layer w10: v2(4579.51,4589.76) 4579.51,4214.49 4606,4188 4724,4188 J6.8@4725,4189
NetJ6_11: J6.11 U10.18 | length 2787.4
  Top Layer w10: U10.18@4143,2274.57 4198.16,2274.57 4209.59,2286 v2(4215,2286) ; v2(4331.76,2375.83) 4331.76,2379.59 4333,2380.83 4333,4020 4370,4057 4613,4057 4661,4105 4661,4200.37 4696.63,4236 4850,4236 4879,4265 4879,4374 4865.14,4387.86 J6.11@4827.86,4387.86
  Bottom Layer w10: v2(4215,2286) 4315,2286 4331.76,2302.76 v2(4331.76,2375.83)
NetJ6_13: J6.13 U9.16 | length 3143.2
  Top Layer w10: U9.16@4142,1870.21 4143.54,1871.75 4182.75,1871.75 4254,1943 4254,4066 4329,4141 4569,4141 4578,4150 4578,4375 4645,4442 4751,4442 4789.68,4480.68 4816.68,4480.68 J6.13@4825,4489
NetJ6_15: J6.15 U9.15 | length 3308
  Top Layer w10: U9.15@4142,1844.82 4143.54,1846.35 4190.35,1846.35 4294,1950 4294,4042 4349,4097 4586,4097 4617,4128 4617,4275 4683,4341 4760,4341 4772,4353 4772,4404 4805,4437 4849,4437 4882,4470 4882,4530 J6.15@4826,4586
NetJ7_4: J7.4 R69.2 | length 99
  Top Layer w30: R69.2@3433,929 J7.4@3433,1028
NetJ8_4: J8.4 R70.2 | length 101.8
  Top Layer w30: J8.4@2833,1028 2833,929 R70.2@2835,927
NetJ9_3: J9.3 R68.2 | length 100.1
  Top Layer w30: J9.3@3733,1028 3733,935 R68.2@3738,930
NetJ10_3: J10.3 R71.2 | length 108.8
  Top Layer w30: R71.2@1919,925 1919,1005.88 1933,1019.88 J10.3@1933,1028
NetJ17_1: J17.1 R64.2 | length 93.5
  Top Layer w30: R64.2@1840,4826.75 1841.25,4828 J17.1@1933,4828
NetJ19_1: J19.1 R65.1 | length 96.3
  Top Layer w30: J19.1@2033,4828 2124.75,4828 R65.1@2128,4824.75
NetJ21_1: J21.1 R66.2 | length 101.1
  Top Layer w30: R66.2@1834,2323 1839,2328 J21.1@1933,2328
NetJ23_1: J23.1 R67.1 | length 107.9
  Top Layer w30: J23.1@2033,2328 2127.5,2328 R67.1@2137,2318.5
NetR20_2: R20.2 R21.1 | length 55.2
  Top Layer w20: R21.1@826.25,3457 R20.2@881.5,3457
NetR30_2: R30.2 U6.4 | length 88
  Top Layer w10: R30.2@3945.59,4330 3952.39,4336.8 4026.6,4336.8 4028.33,4335.06 U6.4@4028.33,4336.8
NetR32_1: R32.1 U6.12 | length 97.5
  Top Layer w10: U6.12@4259.67,4311.2 4261.4,4312.94 4295.69,4312.94 4312.76,4330 R32.1@4349.41,4330
NetR34_1: R34.1 U7.4 | length 233
  Top Layer w10: U7.4@3917.33,1344.8 3917.77,1345.24 4015.24,1345.24 4026,1356 4026,1466.41 R34.1@4019.41,1473
NetR35_1: R35.1 U7.12 | length 79.9
  Top Layer w10: U7.12@4148.67,1319.2 4216.39,1319.2 R35.1@4225,1327.82
NetR37_2: R37.2 U8.4 | length 91.6
  Top Layer w10: R37.2@3950.59,4715 3957.39,4721.8 U8.4@4039.33,4721.8
NetR39_1: R39.1 U8.12 | length 68.1
  Top Layer w10: U8.12@4270.67,4696.2 4336.2,4696.2 R39.1@4338,4698
NetU2_4: U2.4 U4.4 | length 604.7
  Top Layer w10: U4.4@1097.72,2379 1182,2379 1209,2406 1209,2496 1291,2578 1487,2578 1512.5,2552.5 1512.5,2520.59 1514.5,2518.59 U2.4@1524,2518.59
QEA_A: J7.1 J13.22 | length 614.7
  Bottom Layer w10: J7.1@3133,1028 3133,751 3252,632 3252,466.8 J13.22@3255,463.8
QEA_B: J7.2 J13.24 | length 614.7
  Bottom Layer w10: J7.2@3233,1028 3238,1023 3238,761 3355,644 J13.24@3355,463.8
QEA_I: J7.3 J13.26 | length 614.7
  Bottom Layer w10: J7.3@3333,1028 3334,1027 3334,757 3455,636 J13.26@3455,463.8
QEB_A: J8.1 J13.14 | length 710.3
  Bottom Layer w10: J8.1@2533,1028 2538,1023 2538,759 2825.2,471.8 2847,471.8 J13.14@2855,463.8
QEB_B: J8.2 J13.16 | length 716.7
  Bottom Layer w10: J8.2@2633,1028 2633,753.15 2914.35,471.8 2947,471.8 J13.16@2955,463.8
QEB_I: J8.3 J13.18 | length 724.7
  Bottom Layer w10: J8.3@2733,1028 2733,1021 2741,1013 2740.1,1013 2732,1004.9 2732,778 2868.62,641.38 2953,557 2953,533.15 3014.35,471.8 3047,471.8 J13.18@3055,463.8
UART_RX: J3.4 J21.3 | length 1647.5
  Bottom Layer w10: J3.4@985.58,944.81 985.58,1010.58 1860,1885 1860,1945 1895,1980 1951.31,1980 1979.89,2008.58 1979.89,2081.11 J21.3@1933,2128
UART_TX: J3.6 J21.4 | length 1858.8
  Bottom Layer w10: J3.6@712.94,833 710,835.94 710,985 745,1020 935,1020 1820,1905 1820,1980 1868,2028 1917,2028 1925,2020 J21.4@1933,2028
VA_CSensor: J1.5 R1.1 R4.1 | length 438.2
  Top Layer w30: J1.5@256,2681 447.85,2681 ; R4.1@483.82,2715 481.85,2715 447.85,2681 ; R1.1@604.41,2585 543.85,2585 447.85,2681
VA_Filtered: C1.2 R1.2 R11.1 R13.1 U1.5 U1.6 | length 706.9
  Top Layer w10: R1.2@655.59,2585 660.59,2580 661.5,2580 890,2580 970.59,2660.59 R13.1@970.59,2710
  Top Layer w30: C1.2@661.5,2510 R1.2@661.5,2580 ; R11.1@970.59,2775 R13.1@970.59,2710 1048.61,2710 ; U1.6@1075.61,2683 1048.61,2710 ; U1.5@1093.23,2737 1079.43,2737 1052.43,2710 1048.61,2710
VB_CSensor: J1.7 R2.1 R5.1 | length 497.1
  Top Layer w30: J1.7@256,2481 396.44,2481 487.44,2390 R5.1@489.41,2390 489.41,2310.59 540,2260 R2.1@615,2260
VB_Filtered: C2.2 R2.2 R12.1 R14.1 U1.9 U1.10 | length 1144.7
  Top Layer w10: R2.2@666.18,2260 725,2260 1063,2598 1167,2598 1256,2687 ; U1.10@1306.77,2737 1297.99,2728.22 1278.22,2728.22 1256,2706 1256,2687 ; R14.1@1423,2738 R12.1@1423,2687 U1.9@1306.77,2687 1256,2687
  Top Layer w20: C2.2@669.09,2188 C2.2@672.09,2185
  Top Layer w30: R2.2@666.18,2260 666.18,2199.76 669.09,2196.86 C2.2@669.09,2188
Vbus: J1.9 R62.2 R63.2 U3.9 U3.10 | length 1974.9
  Top Layer w30: U3.10@1305.77,3140 U3.9@1305.77,3090 1379.41,3090 ; R63.2@1409.41,3120 1407.44,3120 1379.41,3091.97 1379.41,3090 ; v2(1415,2995) 1413.94,2996.06 1413.94,3050.31 1409.25,3055 1407.44,3055 1379.41,3083.03 1379.41,3090
  Bottom Layer w19.84: J1.9@256,2281 268,2281 310,2239 1013,2239 1415,2641 v2(1415,2995)
VbusRef: C11.2 R18.2 R19.1 U3.11 | length 268.3
  Top Layer w10: U3.11@1305.77,3190 1412.75,3190 R18.2@1416,3186.75 R19.1@1504,3186.75 1570.34,3186.75 C11.2@1572,3188.41
VC_CSensor: J1.3 R3.1 R6.1 | length 496.7
  Top Layer w30: J1.3@256,2881 414.45,2881 448.45,2915 ; R6.1@475,3038.82 R6.1@473.82,3040 470,3036.18 470,2936.55 448.45,2915 ; R3.1@599.41,2910 594.72,2914.69 575.5,2914.69 575.18,2915 448.45,2915
VC_Filtered: C3.2 R3.2 R15.1 R16.1 U3.5 U3.6 | length 919.5
  Top Layer w10: C3.2@655,2835 767.52,2835 994.38,3061.86 994.56,3061.86 1020.7,3088 U3.6@1090.23,3088 ; R16.1@930.59,3110 R16.1@931.18,3110.59 ; R16.1@931.18,3109.41 R16.1@931.18,3110.59 ; R16.1@933.59,3113 R16.1@931.18,3110.59 ; U3.5@1081.22,3138.78 1090.23,3129.77 U3.6@1090.23,3088 ; U3.6@1092.23,3090 U3.6@1090.23,3088
  Top Layer w30: R3.2@650.59,2910 652.8,2907.8 652.8,2837.2 C3.2@655,2835 ; R16.1@930.59,3110 R16.1@930,3110.59 ; R15.1@930.59,3175 930,3174.41 R16.1@930,3110.59 ; U3.5@1092.23,3140 1091.01,3138.78 1081.22,3138.78 1019.37,3138.78 995.28,3114.69 934.1,3114.69 R16.1@930,3110.59
pads on no net: IC2.5 IC3.3 IC3.8 IC3.11 J3.1 J3.8 J3.10 J3.11 J4.9 J4.10 J4.12 J5.9 J5.10 J6.9 J6.10 J11.5 J11.6 J11.7 J11.8 J13.6 J13.7 J13.8 J13.MH1 J13.MH2 J17.2 J17.5 J17.6 J17.7 J17.8 J17.9 J17.10 J18.7 J18.8 J18.9 J18.10 J19.3 J19.10 J20.2 J20.3 J20.4 J20.5 J20.6 J20.7 J20.8 J20.9 J20.10 J21.2 J21.5 J21.6 J21.10 J22.6 J22.9 J22.10 J23.3 J23.9 J23.10 J24.5 U2.1 U4.13 U5.4 U7.13 U9.17 U9.18 U10.11 U10.12 U10.13 U10.14 U10.15
copper on no net: | length 406.3
  Bottom Layer w10: v2(3524,1383) v2@3525.59,1381.41
  Bottom Layer w30: v2(3525.59,1200.33) v2@3525.59,1381.41 ; v2(4391,1170) v2(4391,1393)
  other v4: 129,140 4955,141 4956,5058 129,5077

## Polygon pours and split planes (outlines as drawn)
+3V3 on Int2 (PWR) "Int2 (PWR)-+3V3 9" (solid, pour order 72): 3769.59,4306.87 3748.13,4306.87 3665,4390 3665,4875 3610,4930 3769.59,4930
+3V3 on Int2 (PWR) "Int2 (PWR)-+3V3 4" (solid, pour order 50): 2124.25,1785 4110,1785 4210,1685.01 4210,1225 3965,980 3330,345 3239.98,345 3239.98,574.98 3665,1000 3665,1475 3410,1475 2109.98,1475 1780,1804.98 1780,3460 1685,3555 1230,3555 1115,3670 1115,4070 1330,4070 1330,3645 2080,3645 2080,3215 1890.75,3215 1890.75,2018.5
+5 on Int2 (PWR) "Int2 (PWR)-+5" (solid, pour order 69): 0,5195 0,0 5080,0 5080,5195
+3V3 on Int2 (PWR) "Int2 (PWR)-+3V3 5" (solid, pour order 68): 3670,1390 3585,1475 3670,1475
+3V3 on Int2 (PWR) "Int2 (PWR)-+3V3 6" (solid, pour order 67): 2365,1480 2280,1395 2280,1480
12V_P on Int2 (PWR) "Int2 (PWR)-12V_P 6" (solid, pour order 66): 4680,3605 4790,3715 4790,3605
12V_P on Int2 (PWR) "Int2 (PWR)-12V_P 7" (solid, pour order 65): 4780,4980 4685,5075 4780,5075
12V_P on Int2 (PWR) "Int2 (PWR)-12V_P 8" (solid, pour order 64): 4785,3440 4685,3540 4785,3540
12V_P on Int2 (PWR) "Int2 (PWR)-12V_P 9" (solid, pour order 63): 4050,3535 3965,3450 3965,3535
12V_P on Int2 (PWR) "Int2 (PWR)-12V_P 10" (solid, pour order 62): 1800,5080 1675,4955 1675,5080
+3V3 on Int2 (PWR) "Int2 (PWR)-+3V3 7" (solid, pour order 61): 4373.34,5059.33 4458.34,4974.33 4458.34,4383.34 4375,4300
+3V3 on Int2 (PWR) "Int2 (PWR)-+3V3 8" (solid, pour order 60): 2065,4945 2062.88,4942.88 2062.88,4847.88 2155,4940 2315,4940
+3V3 on Int2 (PWR) "Int2 (PWR)-+3V3" (solid, pour order 58): 1700,4845 1700,4947.27 1747.73,4995 1985,4995 2033,4828
+3V3 on Int2 (PWR) "Int2 (PWR)-+3V3 1" (solid, pour order 57): 1585,4830 1810,5055 4375,5055 4375,4300 3754.13,4300 3754.13,4930 2080,4930 2080,3320 1911.44,3320 1585,3646.44
12V_P on Int2 (PWR) "Int2 (PWR)-12V_P" (solid, pour order 56): 1694.22,3756.49 1584.78,3636.81 1289.64,3630.11 1289.64,5102.32 1694.22,5102.32 1694.22,4973.69 1694.22,4966.91 1694.22,4957.32
12VN_BATT on Int2 (PWR) "Int2 (PWR)-12VN_BATT" (solid, pour order 55): 0,4622.6 0,4285 1175,4285 1290,4400 1290,4620
12VP_BATT on Int2 (PWR) "Int2 (PWR)-12VP_BATT" (solid, pour order 54): 1300,5195 1300,4605 0,4599.37 0,5195
no net on Int2 (PWR) "Int2 (PWR)-No Net" (solid, pour order 53): 50,5150
+3V3 on Int2 (PWR) "Int2 (PWR)-+3V3 2" (solid, pour order 52): 2120,1485 2120,996.7 2043.3,920 1475,920 1475,715 2065,715 2285,935 2285,1485
+3V3 on Int2 (PWR) "Int2 (PWR)-+3V3 3" (solid, pour order 51): 1780,2435 1505,2435 1390,2550 1390,2560 1385,2555 1245,2555 1245,2495 1250,2500 1305,2500 1440,2365 1780,2365
+3V3 on Int2 (PWR) "Int2 (PWR)-+3V3 4" (solid, pour order 49): 4210,1701.01 4126,1785 2124.25,1785 1890.75,2018.5 1890.75,3215 2050,3215 2050,3645 1330,3645 1330,4070 1115,4070 1115,3670 1230,3555 1685,3555 1780,3460 1780,1804.98 2109.98,1475 3410,1475 3665,1475 3665,1000 3239.98,574.98 3239.98,345 3330,345 3965,980 4210,1225
12V_P on Int2 (PWR) "Int2 (PWR)-12V_P 1" (solid, pour order 48): 1325,4105 1345,4085 1345,3670 1435,3670 1440,3675 1440,4170 1440,4230
12V_P on Int2 (PWR) "Int2 (PWR)-12V_P 2" (solid, pour order 47): 1300,5065 1300,5195 5080,5195 5075,3940 4770,3940 4770,5065
12V_P on Int2 (PWR) "Int2 (PWR)-12V_P 3" (solid, pour order 46): 3870,3526.87 3953.13,3610 3980,3610 3980,3112.6 3870,3112.6 3870,3497.6
no net on Int2 (PWR) "Int2 (PWR)-No Net 1" (solid, pour order 45): 1325,4105
12V_P on Int2 (PWR) "Int2 (PWR)-12V_P 4" (solid, pour order 44): 3870,3526.87 3958.13,3615 4770,3615 4770,3940 5080,3940 5080,1610 4780,1610 4780,3525
12V_P on Int2 (PWR) "Int2 (PWR)-12V_P 5" (solid, pour order 43): 405,4240 405,4135 455,4085 1305,4085 1440,4220 1440,4990 1305,4990 1305,4400 1175,4270 435,4270
GND on Top Layer "Top Layer-GND" (solid, pour order 59): 140.18,1079.82 190,1030 720,1030 860,1170 860,1945 910,1995 1955,1995 2212.35,2252.35 2212.35,3152.35 2212.35,3442.35 2079.59,3575.12 1164.59,3575.12 1094.85,3644.85 1042.35,3697.35 257.35,3697.35 135.12,3575.12
no net on Top Overlay (solid, pour order 73): 3955,505 3955,55 5035,55 5035,505
GND on Int1 (GND) (split plane): 5059.9,20.1 20.1,20.1 20.1,5174.9 5059.9,5174.9

## Other copper
Int2 (PWR):
  pour cut-out: 1320,4635
  pour cut-out: 1275,4605
  pour cut-out: 1300,4675 1242.5,4617.5 1300,4560
  pour cut-out: 1465,760 1510,715 1465,715
  pour cut-out: 1510,920 1465,875 1465,920
  pour cut-out: 4467.76,4978.23 4544.53,5055 4390.99,5055
  pour cut-out: 4435,4740 4435,4675 4440,4680 4470,4680 4470,4740

## Silkscreen, mask and mechanical layers (free items; w line width, h text height)
Top Overlay:
  drawing of 11 lines, arcs and shapes, not listed
  text "0" at 1851,4878 h31.5 r180
  text "0" at 2139,4878 h31.5 r180
  text "Power" at 739,4841 h31.5
  text "Voltage Sensor /   Interface" at 2490,4205 h31.5 r90
  text "15V" at 698,3792 h31.5
  text "GD-I" at 807,3791 h31.5
  text "5V" at 954,3789 h31.5
  text "12V" at 1368,3789 h31.5
  text "3.3V" at 1126,3788 h31.5
  text "GND" at 1258,3788 h31.5
  text "V DIV" at 618,3456 h31.5 r90
  text "DNP" at 894,3283 h31.5
  text "Fault Cct." at 722,3020 h31.5
  text "DNP" at 1495,2980 h31.5
  text "DNP" at 1427,2782 h31.5
  text "DNP" at 825,2640 h31.5
  text "0" at 1843,2376 h31.5 r180
  text "0" at 2150,2374 h31.5 r180
  text "Current Sensor Interface" at 135,2290 h31.5 r90
  text "DNP" at 2905,1743 h31.5
  text "DNP" at 2664,1563 h31.5 r90
  text "Temperature Sensor Interface" at 129.5,1135 h31.5 r90
  text "0" at 1942,940 h31.5 r270
  text "0" at 3729,874 h31.5
  text "0" at 3423,872 h31.5
  text "0" at 2824,871 h31.5
  text "AGU POWER LAB" at 4170,615 h50
  text "Controller Board V.1-4L" at 3925,455 h50
Mechanical 1:
  lines w30: 0,0 0,5195 45,5195 60,5195 5080,5195 5080,0 0,0

## Text inside footprints (layer, text, board x,y; h text height)
R64: Mechanical 7 "0.057in/1.448mm" at 1827.5,5254 h31.5 r270; Mechanical 7 "0.087in/2.21mm" at 2088.5,4953.5 h31.5 r270; Mechanical 7 "Alt 2 Pad Style: EX90Y60D30P" at 1499.5,5216 h31.5 r270; Mechanical 7 "Alt 1 Pad Style: OX60Y90D30P" at 1549.5,5216 h31.5 r270; Mechanical 7 "Default Pad Style: RX39p5Y61D0T" at 1599.5,5253.5 h31.5 r270
R65: Mechanical 7 "0.057in/1.448mm" at 2140.5,4476 h31.5 r90; Mechanical 7 "0.087in/2.21mm" at 1879.5,4776.5 h31.5 r90; Mechanical 7 "Alt 2 Pad Style: EX90Y60D30P" at 2468.5,4514 h31.5 r90; Mechanical 7 "Alt 1 Pad Style: OX60Y90D30P" at 2418.5,4514 h31.5 r90; Mechanical 7 "Default Pad Style: RX39p5Y61D0T" at 2368.5,4476.5 h31.5 r90
R66: Mechanical 7 "0.057in/1.448mm" at 1821.5,2750.25 h31.5 r270; Mechanical 7 "0.087in/2.21mm" at 2082.5,2449.75 h31.5 r270; Mechanical 7 "Alt 2 Pad Style: EX90Y60D30P" at 1493.5,2712.25 h31.5 r270; Mechanical 7 "Alt 1 Pad Style: OX60Y90D30P" at 1543.5,2712.25 h31.5 r270; Mechanical 7 "Default Pad Style: RX39p5Y61D0T" at 1593.5,2749.75 h31.5 r270
R67: Mechanical 7 "0.057in/1.448mm" at 2149.5,1969.75 h31.5 r90; Mechanical 7 "0.087in/2.21mm" at 1888.5,2270.25 h31.5 r90; Mechanical 7 "Alt 2 Pad Style: EX90Y60D30P" at 2477.5,2007.75 h31.5 r90; Mechanical 7 "Alt 1 Pad Style: OX60Y90D30P" at 2427.5,2007.75 h31.5 r90; Mechanical 7 "Default Pad Style: RX39p5Y61D0T" at 2377.5,1970.25 h31.5 r90
R68: Mechanical 7 "0.057in/1.448mm" at 3750.5,502.75 h25 r90; Mechanical 7 "0.087in/2.21mm" at 3489.5,803.25 h25 r90; Mechanical 7 "Alt 2 Pad Style: EX90Y60D30P" at 4078.5,540.75 h50 r90; Mechanical 7 "Alt 1 Pad Style: OX60Y90D30P" at 4028.5,540.75 h50 r90; Mechanical 7 "Default Pad Style: RX39p5Y61D0T" at 3978.5,503.25 h50 r90
R69: Mechanical 7 "0.057in/1.448mm" at 3445.5,501.75 h25 r90; Mechanical 7 "0.087in/2.21mm" at 3184.5,802.25 h25 r90; Mechanical 7 "Alt 2 Pad Style: EX90Y60D30P" at 3773.5,539.75 h50 r90; Mechanical 7 "Alt 1 Pad Style: OX60Y90D30P" at 3723.5,539.75 h50 r90; Mechanical 7 "Default Pad Style: RX39p5Y61D0T" at 3673.5,502.25 h50 r90